# KiCad board Turbo_XT_Mainboard R3.kicad_pcb (continued)
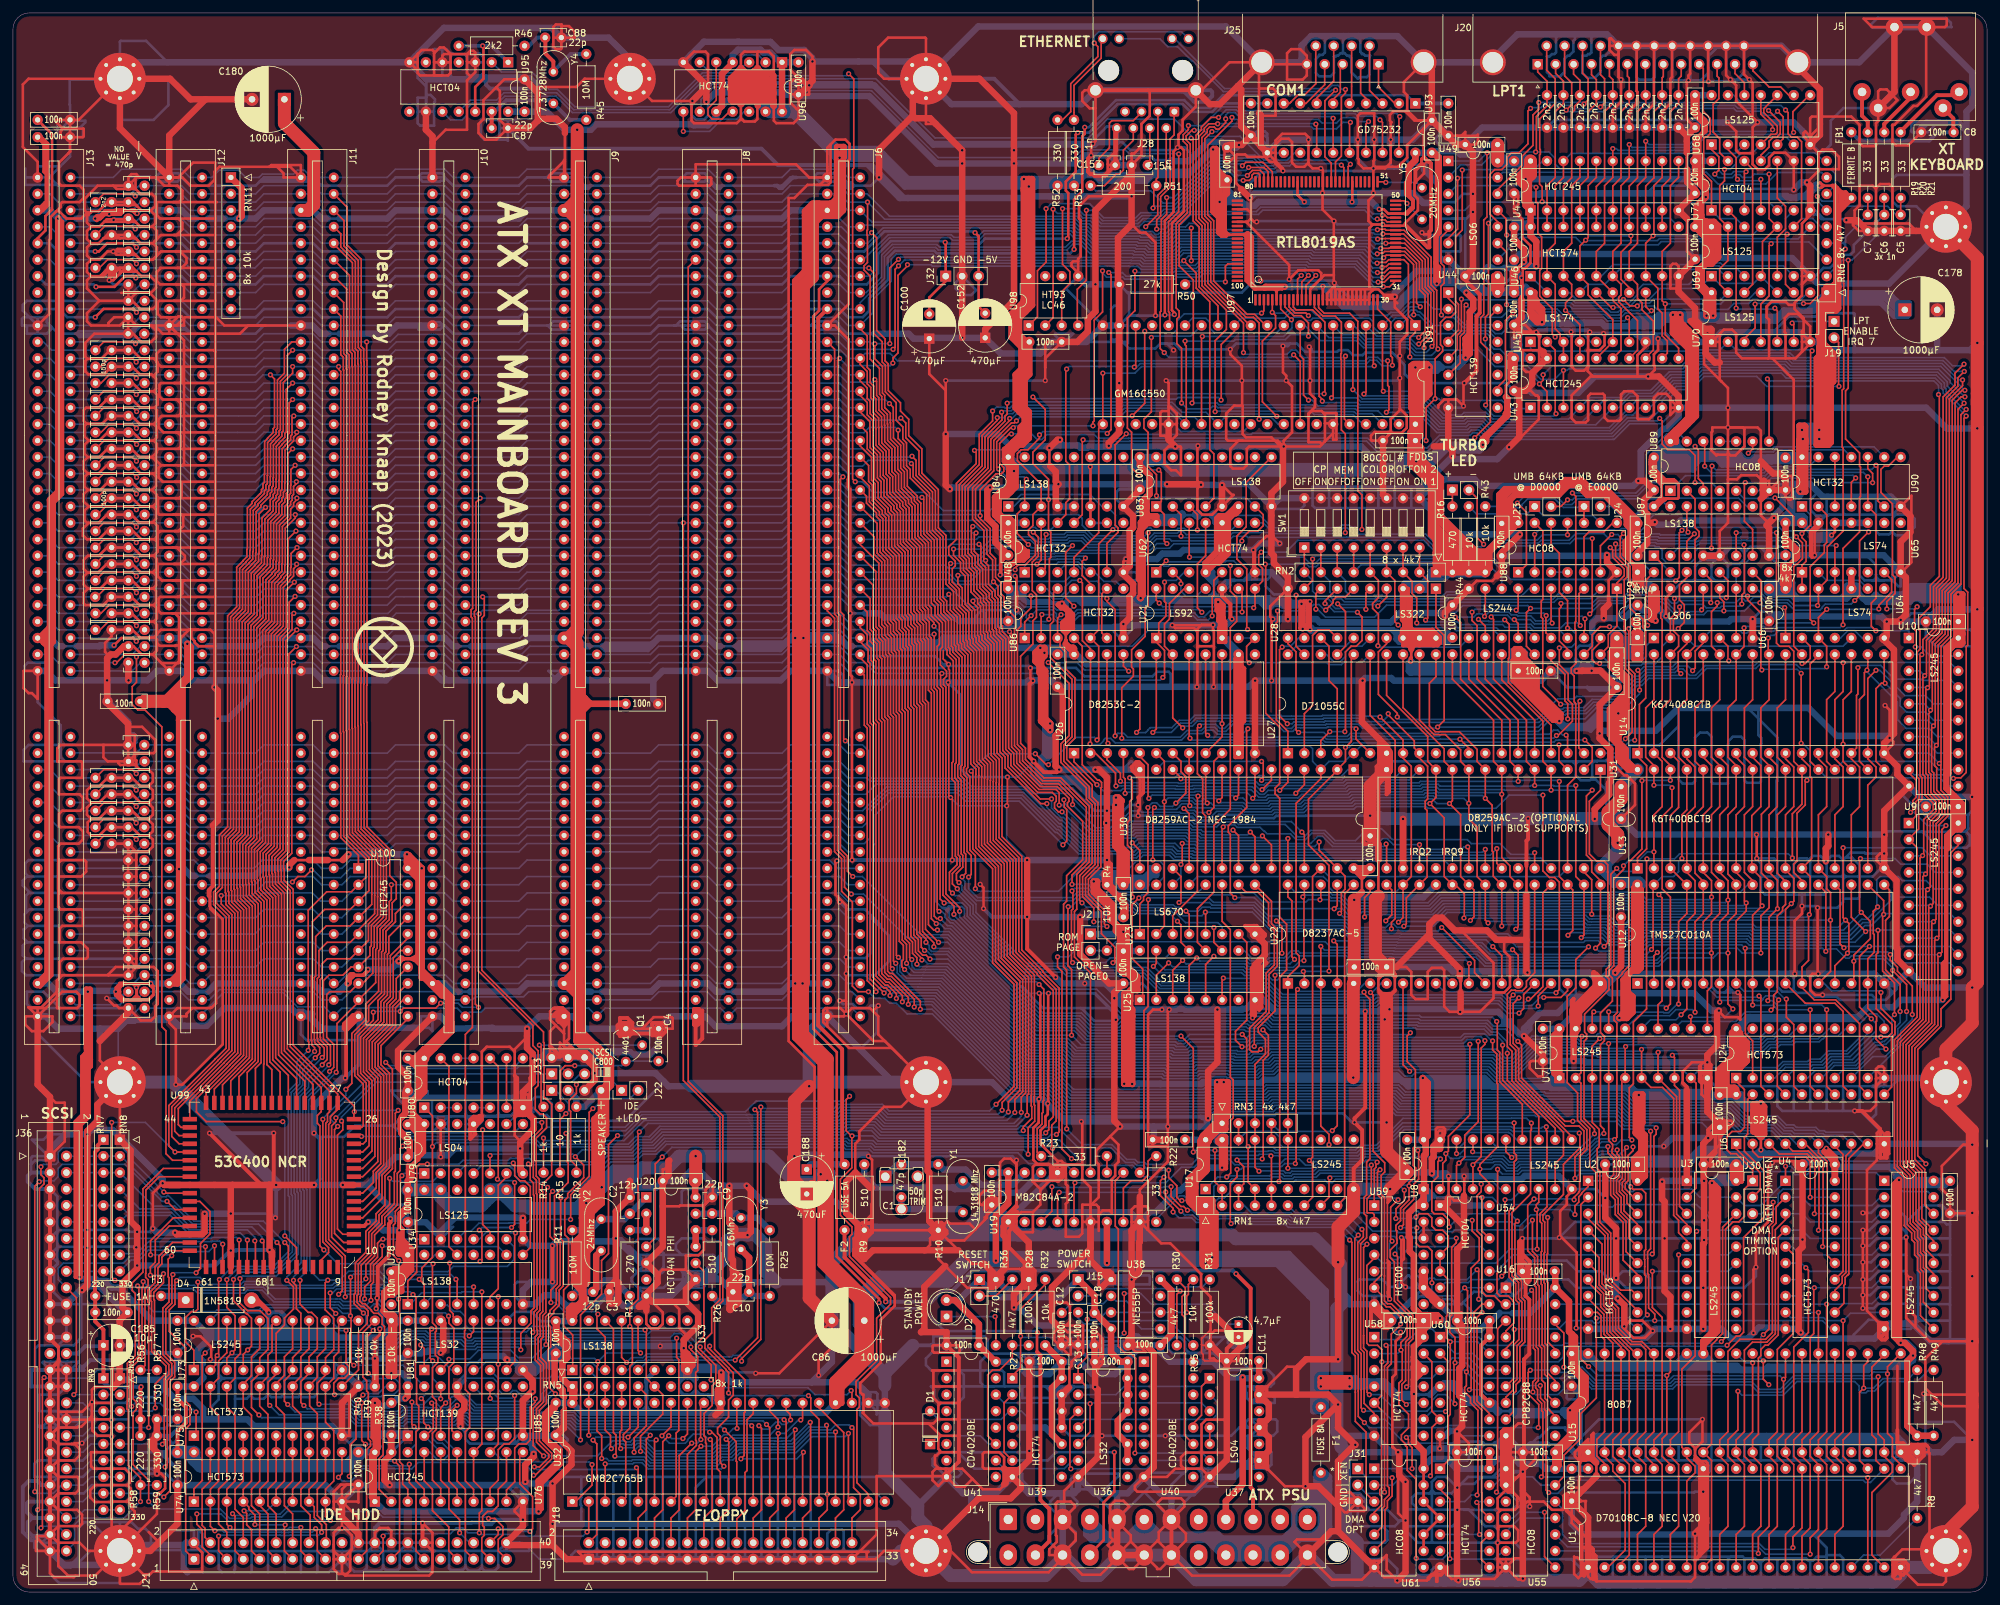
[diagram p0: board, top side]
## Routing (per net, layer and track width the routed paths; a pad name or vN(x,y) marks a point on that pad's centre or on a via; arc(x,y) is an arc through that point) (continued)
187.96,34.29 191.77,34.29 ; 184.98,36.9 184.73,36.9 ; 217.87,45.65 216.72,45.65 ; 223.96,12.77 224.72,12.77 227.33,10.16 228.73,10.16 229.3,9.58 ; 223.96,12.77 224.03,12.7 228.85,12.7 ; 223.96,12.77 222.95,12.77 ; 41.66,30.35 41.91,30.61 41.91,32.77 41.98,32.84 ; 41.66,30.35 41.4,30.1 39.88,30.1 39.5,30.48 39.37,30.48 ; 282.96,113.41 283.72,114.17 285.88,114.17 286,114.05 v1(288.93,114.05) ; 282.96,113.41 283.97,113.41 285.12,112.27 285.12,110.62 284.99,110.49 ; 282.96,113.41 282.57,113.03 282.57,112.78 ; 282.45,197.49 284.23,197.49 284.35,197.36 284.35,191.77 ; 74.8,224.28 72.77,224.28 72.26,224.79 72.26,227.33 75.14,227.33 75.29,227.18 ; 272.41,110.62 272.41,111.12 ; 272.41,110.62 272.29,110.49 269.88,110.49 ; 272.41,111.12 272.41,110.87 272.8,110.49 ; 272.41,111.12 272.41,112.78 271.91,113.28 v1(269.24,113.28) 269.24,113.16 269.88,112.52 269.88,110.49 ; 271.91,1.52 272.41,2.03 272.41,4.95 272.16,5.21 ; 185.67,19.18 186.18,19.18 ; 185.67,19.18 185.67,17.78 ; 285.24,74.3 286.7,72.83 ; 283.31,23.59 282.57,22.86 282.57,20.32 ; 282.57,78.1 280.03,78.1 ; 280.03,78.1 280.03,74.55 280.29,74.3 ; 280.03,78.1 277.5,78.1 ; 219.13,7.69 219.06,7.62 216.92,7.62 215.01,9.52 v1(215.01,11.05) ; U1.33 259.97,20.07 ; U1.33 260.73,19.3 259.97,19.3 ; 259.97,20.07 259.71,20.32 ; 259.97,20.07 259.97,19.3 ; 104.77,52.07 103.25,52.07 102.36,52.96 102.36,53.72 103.25,54.61 106.68,54.61 107.19,54.1 108.97,54.1 109.98,55.12 v1(113.41,55.12) ; 104.77,52.07 97.92,52.07 ; 104.77,52.07 108.08,52.07 108.33,51.82 108.33,50.04 ; U59.12 217.68,54.74 v1(214.38,54.74) ; v1(285.62,48.26) 286.77,48.26 288.08,49.57 292.31,49.57 ; 161.04,29.97 161.04,30.99 ; 102.87,31.37 102.87,32.26 ; 254.63,5.46 259.71,5.46 ; 254.63,5.46 254.63,2.03 254.13,1.52 ; 254.63,5.46 252.09,5.46 ; 259.71,5.46 262.25,5.46 ; 183.51,17.91 183.51,17.14 183.83,16.83 ; 183.51,17.91 183.51,18.29 ; C49.2 174.37,93.98 175.26,93.09 175.26,90.39 175.24,90.37 175.24,89.94 ; 287.65,166.37 287.65,168.78 288.01,169.14 ; 287.65,166.37 285.12,166.37 ; 287.65,166.37 290.19,166.37 ; 8.38,128.27 8,128.27 7.37,128.91 7.37,130.81 ; 8.38,128.27 C160.1 ; 66.04,72.26 66.8,72.26 67.24,72.7 ; 66.04,72.26 66.03,72.25 64.76,72.25 ; 66.04,72.26 66.04,72.64 65.22,73.46 ; 66.04,72.26 67.24,71.06 ; 66.04,72.26 64.76,70.98 ; 66.04,72.26 66.04,71.12 65.9,70.98 ; 6.22,27.94 8.25,27.94 ; 6.22,27.94 4.06,27.94 4.06,30.48 6.98,30.48 8.25,31.75 ; 44.45,35.69 46.99,35.69 ; 44.45,35.69 41.91,35.69 ; 290.19,166.37 290.7,166.37 ; 60.96,75.56 60.07,75.56 58.67,76.96 58.67,77.12 58.37,77.42 C30.2 ; 60.96,75.56 C30.2 ; 12.39,26.6 12.46,26.67 15.1,26.67 v1(15.17,26.6) 15.24,26.67 17.78,26.67 ; 46.99,35.69 49.4,35.69 49.78,35.31 ; 46.99,35.69 46.99,32.89 ; 107.31,195.71 107.31,195.58 ; 107.31,195.71 107.31,195.2 107.06,195.2 106.81,194.94 103.76,194.94 103.38,195.33 103.63,195.58 103.76,195.58 ; J13.1 1.9,218.44 ; J13.1 5.71,218.44 ; J13.1 3.81,220.34 4,220.15 7.3,220.15 ; 1.9,218.44 1.9,217.3 6.86,217.3 ; 1.9,218.44 1.9,219.84 ; 243.2,3.94 244.47,5.21 ; 244.47,5.21 244.47,3.68 ; 77.24,76.3 77.41,76.14 77.41,74.1 ; v1(210.06,219.84) 209.17,219.84 207.64,221.36 v1(207.64,224.28) ; v1(210.06,219.84) 209.66,219.44 202.33,219.44 v1(201.93,219.84) 201.55,219.46 v1(196.09,219.46) 195.2,219.46 194.99,219.25 192.71,219.25 191.01,217.55 v1(191.01,215.26) ; v1(210.06,219.84) 213.23,219.84 ; v1(114.68,33.78) 114.55,33.91 v1(109.35,33.91) ; 280.03,20.32 280.03,23.11 279.56,23.59 ; 280.03,20.32 277.5,20.32 ; 280.03,20.32 282.57,20.32 ; 285.46,23.59 285.12,23.24 285.12,20.32 ; 240.66,62.23 244.47,62.23 v1(245.86,60.84) ; 210.95,128.14 U31.14 212.09,128.14 ; 210.95,128.14 212.09,128.14 ; v1(247.52,48.51) 248.54,49.53 251.59,49.53 252.73,48.39 252.73,46.99 ; v1(247.52,48.51) 249.05,46.99 252.73,46.99 ; v1(247.52,48.51) 246.25,48.51 245.24,49.53 241.55,49.53 239.9,51.18 234.7,51.18 ; 168.27,48.89 166.37,48.89 166.37,48.26 168.27,48.26 ; 168.27,48.89 175.39,48.89 175.51,48.77 175.51,47.5 168.27,47.5 ; 161.96,31.72 161.96,31.59 162.18,31.37 ; 161.96,31.72 161.93,31.69 U39.13 160.65,31.75 160.27,31.75 ; 161.96,31.72 160.3,31.72 160.27,31.75 ; 161.96,31.72 163.16,31.72 163.16,31.34 162.69,30.86 162.18,31.37 ; 161.96,31.72 161.77,31.72 161.04,30.99 ; 81.17,47.89 77.87,47.89 77.47,47.5 77.47,45.72 U78.8 ; 112.9,17.78 113.03,17.65 113.03,5.46 112.65,5.08 ; C38.2 60.96,58.93 60.07,59.82 57.78,59.82 ; C38.2 59.61,57.1 59.05,57.66 ; C38.2 60.96,55.63 61.09,55.5 61.59,55.5 60.96,56.13 C38.2 ; v1(127.22,112.91) 129.44,112.91 v1(129.57,113.03) ; 78.68,22.93 79.94,22.93 80.19,22.68 ; 78.68,22.93 77.54,22.93 ; 67.63,71.06 67.62,71.06 67.24,71.44 ; 67.63,71.06 67.24,71.06 ; 67.63,71.06 69.92,71.06 ; 278.53,202.16 278.83,201.86 281.37,201.86 281.57,202.06 281.7,201.93 282.45,201.93 ; 284.99,110.49 285.12,110.36 285.12,107.31 284.86,107.06 282.57,107.06 ; J20.25 267.27,234.64 265.94,233.3 264.92,233.3 ; 168.27,48.26 167.51,47.5 168.27,47.5 ; C151.2 7.62,226.14 10.37,226.14 ; R31.1 184.66,38.23 184.66,39.37 ; R31.1 185.8,38.1 187.96,40.26 190.12,40.26 ; R31.1 184.78,36.96 184.73,36.9 ; 6.86,217.3 5.71,218.44 ; 52.07,8.89 51.05,9.91 v1(50.8,9.91) ; 52.07,8.89 52.22,8.74 52.22,7.47 ; 294.13,54.61 299.08,54.61 ; 279.97,110.29 279.97,108.01 279.65,107.7 277.5,107.7 ; 153.03,18.29 152.27,19.05 148.46,19.05 145.92,21.59 144.27,21.59 ; 153.03,18.29 155.83,18.29 155.83,17.27 157.86,15.24 ; 153.03,18.29 153.29,18.03 ; 282.6,169.14 282.57,169.12 282.57,166.62 282.83,166.37 ; v1(154.94,66.68) 154.31,67.31 v1(132.08,67.31) v1(120.65,67.31) ; U41.8 142.88,19.05 ; U41.8 144.14,19.05 ; U41.8 145.29,18.92 145.29,19.05 ; U41.8 145.92,17.78 146.43,18.29 146.43,18.54 145.92,19.05 145.29,19.05 ; 142.88,19.05 142.49,19.05 141.99,19.56 141.99,20.57 143,21.59 144.27,21.59 ; 142.88,19.05 144.14,19.05 ; 277.5,112.78 277.5,110.49 ; 72.64,236.35 72.64,234.57 72.26,234.19 70.23,234.19 70.1,234.31 70.1,236.35 ; 7.3,220.15 5.71,218.57 5.71,218.44 ; C10.2 107.99,49.53 105.41,49.53 ; 7.37,130.81 7.37,133.86 3.81,137.41 J13.31 1.78,142.24 1.78,143 2.29,143.51 5.46,143.51 5.46,142.62 5.08,142.24 ; 290.19,156.21 291.08,155.32 291.46,155.32 U65.7 ; 290.19,156.21 U65.7 ; 290.19,156.21 290.19,157.35 ; 64.76,72.25 64.76,73.4 64.7,73.46 ; 64.76,72.25 64.76,70.98 ; 282.57,107.06 282.57,110.11 ; 193.93,26.67 194.94,26.67 195.2,26.42 195.2,24.76 194.56,24.13 193.93,24.13 ; 193.93,26.67 192.4,26.67 ; 31.64,6.33 31.64,6.08 31.77,5.95 31.77,3.58 32.26,3.09 32.26,3.05 ; 31.64,6.33 34.4,6.33 ; 65.15,6.35 67.31,6.35 ; 65.02,238.25 66.93,238.25 67.56,237.62 ; 246.38,1.52 247.01,2.16 247.01,5.46 ; C149.2 C103.1 ; 69.92,72.21 69.92,71.06 ; 69.92,72.21 69.92,73.98 ; 69.92,71.06 69.84,70.98 ; 69.92,71.06 70.1,71.25 ; 69.92,71.06 71.06,71.06 71.12,71.12 ; v1(285.62,50.93) 286.89,50.93 288.04,52.07 292.23,52.07 292.31,51.99 ; 67.37,140.78 66.42,141.73 66.42,142.24 J10.31 ; U65.7 290.32,157.48 290.19,157.35 ; 170.56,193.04 165.74,193.04 ; 32.26,3.05 34.16,3.05 ; 34.16,3.05 36.7,3.05 ; 34.16,3.05 34.16,3.43 34.29,3.56 34.29,6.22 34.4,6.33 ; v1(215.01,11.05) 213.87,11.05 212.22,12.7 209.3,12.7 ; v1(215.01,11.05) 214.95,10.99 214.95,12.77 216.73,12.77 ; v1(215.01,11.05) 215.01,10.54 215.39,10.16 222.25,10.16 223.01,10.92 v1(223.01,12.7) ; 193.8,19.18 194.31,19.69 194.31,21.59 193.42,21.59 ; 85.72,83.82 J33.4 ; 85.72,83.82 88.14,83.82 ; 76.58,227.33 75.44,227.33 75.29,227.18 ; 172.59,39.12 172.72,39.12 173.35,39.75 ; 172.59,39.12 172.21,39.12 ; 236.92,22.79 239.08,22.79 239.14,22.73 ; 290.19,20.32 290.19,17.4 290.83,16.76 292.74,16.76 294,18.03 ; 290.19,20.32 291.59,20.32 ; 290.19,20.32 287.65,20.32 ; 134.62,25.78 132.33,25.78 130.81,27.31 130.81,28.96 ; 222.88,44.45 222.88,41.99 C76.2 225.17,41.91 225.3,42.04 225.3,43.31 223.9,44.7 ; 222.88,44.45 223.65,44.45 223.9,44.7 ; 133.48,29.21 133.48,29.59 ; 133.48,29.59 133.48,30.61 133.22,30.86 131.7,30.86 ; 133.48,29.59 133.48,27.56 133.35,27.43 133.35,27.94 U32.22 131.06,29.21 130.81,28.96 ; 191.13,39.12 191.13,39.88 190.75,40.26 190.12,40.26 ; C136.2 C117.1 ; 145.29,19.05 144.14,19.05 ; C161.1 17.78,132.59 18.67,132.59 19.05,132.21 19.05,131.19 18.67,130.81 C161.1 ; 88.14,83.82 88.14,82.68 J33.6 ; 84.58,22.35 85.6,23.37 85.6,23.62 85.01,24.21 C96.2 ; 84.58,22.35 83.95,22.35 83.82,22.48 C96.2 ; 84.58,22.35 84.58,23.45 C96.2 ; 297.05,149.61 296.93,149.61 ; 297.05,149.61 298.07,148.59 302.26,148.59 302.77,148.08 302.77,146.05 296.93,146.05 295.35,147.62 C56.2 ; 297.05,149.61 296.8,149.86 C56.2 ; 243.4,146.12 243.84,146.56 243.84,147.7 ; 69.85,6.35 69.87,6.33 69.87,3.79 ; 69.85,6.35 67.31,6.35 ; 299.08,49.53 299.08,52.07 ; 144.31,105.68 144.48,105.85 145.09,105.85 ; 183.51,18.29 183.51,19.05 ; 2.29,97.79 C173.2 ; 2.29,97.79 1.9,97.79 1.4,97.28 1.4,95.88 2.03,95.25 C174.2 ; U83.8 194.44,167.64 194.82,167.26 198.88,167.26 199.39,167.77 SW1.16 ; 229.24,45.72 230.63,45.72 ; 229.24,45.72 228.98,45.72 ; 229.24,45.72 U16.1 ; 230.63,45.72 230.5,45.85 U16.1 ; 230.63,45.72 231.77,45.72 ; 229.3,9.58 229.3,12.52 229.12,12.7 228.85,12.7 ; U25.8 191.77,90.17 191.88,90.06 ; 2.03,104.9 2.54,105.41 C170.2 ; 174.12,39.37 177.29,39.37 ; 174.12,39.37 173.74,39.75 173.35,39.75 ; 162.07,15.1 163.21,15.1 164.34,13.97 164.34,13.48 J14.3 ; 228.98,45.72 227.46,45.72 226.82,46.36 225.55,46.36 223.9,44.7 ; 228.98,45.72 228.98,45.97 230,46.99 U16.1 ; H1.1 16.51,239.39 16.64,239.52 20.57,239.52 23.88,236.22 ; 81.15,35.43 77.6,35.43 77.22,35.81 ; 274.95,5.21 274.95,1.91 275.34,1.52 ; 274.95,5.21 272.16,5.21 ; 257.18,133.73 257.18,125.48 257.81,124.84 259.33,124.84 259.71,125.22 259.71,131.95 260.48,132.72 261.62,132.72 262.25,132.08 262.25,125.09 262.51,124.84 264.79,124.84 264.79,130.94 264.86,131.01 264.86,131.39 265.56,132.08 266.83,132.08 267.33,131.57 267.33,125.35 267.72,124.97 269.75,124.97 269.88,125.09 269.88,130.94 269.94,131.01 269.94,131.88 269.49,132.33 269.49,136.53 ; 257.18,133.73 257.18,136.53 ; 162.94,31.5 162.81,31.37 162.18,31.37 ; 299.08,41.91 299.08,38.99 298.83,38.74 ; U44.8 223.71,182.88 v1(223.96,183.13) ; U75.10 51.94,22.99 53.3,24.34 53.64,24.34 ; 287.65,20.32 285.12,20.32 ; 287.65,20.32 287.65,22.86 288.39,23.59 ; 285.12,20.32 282.57,20.32 ; 70,76.3 69.92,76.22 69.92,73.98 ; 172.21,39.12 172.85,39.75 173.35,39.75 ; 267.08,5.46 267.33,5.21 ; 267.08,5.46 265.18,5.46 264.79,5.08 264.79,2.03 264.29,1.52 ; 267.08,5.46 262.25,5.46 ; 267.33,5.21 268.99,5.21 269.3,4.89 ; 267.33,5.21 267.33,2.03 268.1,1.27 ; 262.25,156.71 262.25,156.72 ; 262.25,156.71 262.82,156.14 263.21,156.14 ; 262.25,156.71 262.25,156.32 262.07,156.14 ; 79.69,75.5 80.64,76.45 81.66,76.45 81.91,76.2 82.42,76.2 83.18,75.44 83.18,72.9 ; 79.69,75.5 80.14,75.95 80.14,74.3 80.33,74.1 77.41,74.1 ; 159.07,149.03 155,149.03 154.94,149.1 151.89,149.1 151.89,149.73 152.1,149.94 ; 67.56,235.97 67.56,234.19 68.15,233.6 ; 67.56,235.97 67.56,237.36 67.69,237.49 67.56,237.62 ; 173.17,149.29 173.17,149.04 U86.7 170.94,147.32 169.99,148.27 169.99,149.03 ; 282.57,110.87 282.57,110.11 ; 282.57,110.87 282.57,112.78 ; v1(27.81,39.5) 27.81,39.32 C42.2 ; J21.28 J21.26 J21.24 ; 123.82,218.44 123.57,218.44 ; 19.81,195.58 19.56,195.58 ; 61.63,76.75 61.47,76.58 61.47,74.16 62.16,73.46 64.7,73.46 ; 263.21,156.14 262.07,156.14 ; 263.21,156.14 264.22,156.14 264.79,156.72 264.79,158.75 ; 262.07,156.14 257.87,156.14 ; 257.87,156.14 256.67,154.94 255.9,154.94 ; 153.29,18.03 153.29,16.76 ; 153.29,18.03 153.54,17.78 U39.7 ; 170.38,89.03 169.23,90.17 159.02,90.17 155.67,93.53 ; 170.38,89.03 166.95,92.46 v1(159.89,92.46) ; 170.38,89.03 170.29,88.94 v1(170.29,88.37) ; v1(285.62,45.85) 286.77,45.85 287.98,47.06 292.3,47.06 292.31,47.07 ; 245.94,128.34 244.66,128.34 ; 219.96,214.5 220.09,214.63 222.63,214.63 223.9,215.9 v1(225.43,215.9) ; 36.7,3.05 36.85,3.19 36.85,6.33 ; 192.53,21.59 193.42,21.59 ; 100.46,78.87 100.46,78.74 94.49,72.77 83.31,72.77 83.18,72.9 ; 205.59,20.86 205.59,21.06 v1(207.26,22.73) ; 207.64,15.24 206.47,15.24 205.59,14.37 ; 161.04,30.99 160.15,30.99 159.38,31.75 ; 90.17,17.78 87.63,17.78 ; 164.27,36.76 164.46,36.96 C13.2 ; U73.10 49.78,35.31 ; U73.10 49.72,33.21 ; U73.10 50.8,33.15 50.93,33.02 ; 49.78,35.31 49.72,35.24 49.72,33.21 ; 267.65,160.84 267.27,160.46 ; 297.89,59.69 C35.2 299.08,56.77 ; 69.92,73.73 69.92,73.98 ; 62.48,218.44 59.05,218.44 57.78,217.17 47.62,217.17 46.99,217.81 ; C184.2 57.29,44.4 56.31,45.38 v1(56.22,45.38) ; 46.99,217.81 46.61,218.19 ; 103.89,47.12 103.89,48.89 103.25,49.53 105.41,49.53 ; 254.16,23.59 254.63,23.11 254.63,20.32 ; 191.77,156.34 190.63,156.34 U62.7 191.77,156.34 ; 191.77,156.34 193.42,156.34 ; 200.53,191.52 199.52,191.52 198.25,192.79 197.23,192.79 ; 200.53,191.52 204.47,191.52 204.72,191.77 206.12,191.77 206.88,191.01 208.41,191.01 208.79,191.39 212.98,191.39 214.88,189.48 214.88,188.09 216.28,186.69 v1(224.09,186.69) 230.58,186.69 C70.2 ; 200.53,191.52 200.53,191.9 v1(200.15,192.28) ; v1(223.01,12.7) 216.73,12.77 ; v1(223.01,12.7) 222.95,12.77 ; v1(223.01,12.7) 222.95,12.76 222.95,12.77 ; 278.51,212.73 278.89,212.73 ; 278.51,212.73 278,212.73 277.5,213.23 U71.7 278.26,213.36 278.89,212.73 ; 278.51,212.73 278.51,212.72 279.22,212.02 279.6,212.02 ; 278.89,212.73 279.6,212.02 ; 69.84,70.98 70.1,71.25 ; 69.84,70.98 65.9,70.98 ; 77.54,22.93 77.16,22.93 ; 10.54,26.67 10.54,27.43 10.03,27.94 8.25,27.94 ; 194.18,29.21 192.4,29.21 ; v1(233.04,54.61) 238.25,54.61 ; 269.88,4.32 269.88,4.57 270.19,4.89 ; 269.88,4.32 269.3,4.89 ; 154.56,36.83 154.81,36.83 ; U76.10 76.83,15.88 76.83,16.51 ; 205.46,240.26 203.18,240.26 202.56,239.65 202.56,237.74 202.18,237.36 201.68,237.36 201.68,237.24 201.17,236.73 201.17,234.57 201.68,234.06 203.45,234.06 203.96,234.57 203.96,237.11 204.22,237.11 204.34,237.24 204.6,237.24 204.98,237.62 205.23,237.62 ; v1(184.53,73.15) 185.04,73.15 185.39,73.5 185.52,73.5 185.67,73.66 194.82,73.66 195.07,73.91 205.36,73.91 206.76,72.52 v1(207.14,72.52) v1(212.09,72.52) ; 87.63,17.78 84.33,17.78 v1(83.31,16.76) ; 87.63,17.78 87.76,17.65 87.76,14.6 87.63,14.48 87.63,13.46 87.76,13.34 87.76,10.54 ; C64.2 230.19,21.59 228.92,22.86 226.82,22.86 226.44,23.24 223.52,23.24 222.44,22.16 221.17,22.16 221.42,22.16 223.27,20.32 224.54,20.32 224.79,20.57 224.79,21.59 ; 170.17,171.06 170.18,171.07 v1(178.18,171.07) 176.78,171.07 176.4,171.45 172.74,171.45 172.35,171.06 ; 9.78,194.31 9.65,194.31 ; 67.24,72.7 67.24,71.44 ; 207.75,240.26 208.03,239.98 208.03,237.87 208.28,237.62 208.28,237.49 208.53,237.49 208.79,237.24 209.55,237.24 209.42,237.11 209.42,234.31 209.04,233.93 207.9,233.93 207.64,233.68 206.63,234.7 206.63,236.86 206.38,237.11 206.38,237.24 205.99,237.24 205.61,237.62 205.23,237.62 ; 192.4,29.21 191.52,29.21 ; 183.51,19.05 184.53,19.05 ; v1(271.65,66.29) 271.91,66.55 274.83,66.55 275.34,66.04 C72.2 ; 159.38,31.75 160.27,31.75 ; C69.2 246,121.67 246,122.68 ; 272.16,5.21 270.51,5.21 270.19,4.89 ; 205.23,237.62 205.36,237.74 205.36,239.65 205.97,240.26 206.27,240.26 ; v1(40.51,57.79) 39.85,58.45 v1(33.63,58.45) ; 243.84,125.73 243.84,125.48 244.35,125.48 246,123.82 246,122.68 ; 243.84,125.73 243.84,128.05 244.13,128.34 244.66,128.34 ; C62.2 220.22,223.52 219.71,224.03 219.71,224.54 220.04,224.87 C187.2 ; 270.19,4.89 269.3,4.89 ; 259.84,217.17 253.49,217.17 252.3,215.98 251.29,215.98 ; 277.5,110.49 277.5,107.7 ; 267.27,160.46 267.33,160.39 267.33,159.51 266.57,158.75 264.79,158.75 ; 77.41,74.1 76.9,73.6 ; 36.64,30.42 36.07,29.85 34.29,29.85 ; 36.64,30.42 37.21,29.85 38.73,29.85 39.37,30.48 ; 36.64,30.42 36.83,30.61 36.83,35.69 ; 67.56,237.62 67.82,237.62 67.94,237.49 69.72,237.49 70.1,237.11 70.1,236.35 ; 192.4,26.67 191.01,26.67 ; U40.8 174.62,18.29 174.88,18.29 175.01,18.42 180.72,18.42 180.59,18.29 ; 170.44,223.9 171.28,223.9 172.52,222.66 179.4,222.66 v1(179.8,223.06) 180.93,223.06 181.74,222.25 181.74,221.11 ; 188.55,156.23 190.1,156.23 ; 67.24,71.06 67.24,71.44 ; 168.4,34.93 168.99,34.93 169.84,35.77 ; v1(176.4,197.1) 177.74,197.1 v1(177.85,197.21) 179.27,197.21 v1(179.32,197.27) ; v1(176.4,197.1) 176.15,197.1 ; U16.1 231.77,45.72 ; 178.74,139.78 178.74,141.81 178.44,142.11 176.66,142.11 175.93,141.39 165.44,141.39 164.13,142.7 v1(157.1,142.7) 156.8,143 143.89,143 143.59,142.7 133.15,142.7 132.08,143.76 132.08,144.15 132.21,144.27 132.21,144.53 142.37,144.53 143.64,143.26 v1(144.46,143.26) ; 5.71,7.62 4.44,7.62 J36.47 ; 5.71,7.62 J36.47 ; 5.71,7.62 6.73,7.62 7,7.35 ; 144.14,105.54 144.43,105.25 144.55,105.25 ; 130.81,28.96 130.81,30.73 131.32,31.24 ; C7.2 284.23,208.03 284.23,207.01 283.72,206.5 282.32,206.5 282.32,206.25 280.54,204.47 279.53,204.47 278.26,203.2 U69.7 ; 31.75,33.15 31.75,32.25 ; 31.75,32.25 31.75,29.72 30.73,28.7 30.73,26.67 ; 44.47,6.33 44.47,3.07 44.45,3.05 ; 103.12,34.29 102.87,34.04 ; J14.3 162.07,10.81 159.89,8.64 159.89,7.89 J14.15 162.07,5.86 164.08,7.87 164.08,9.27 164.01,9.27 J14.3 ; J14.3 162.01,11.21 160.15,13.08 160.15,13.97 161.42,15.24 ; C137.2 C116.1 ; v1(292.99,48.39) v1(292.99,43.31) ; 10.03,194.31 9.65,194.31 ; 290.19,157.35 290.19,158.75 290,158.94 ; 36.85,6.33 34.4,6.33 ; C163.1 C158.1 ; 295.27,25.91 295.27,29.34 295.02,29.59 v1(295.02,30.61) ; 295.27,25.91 295.27,26.29 299.72,26.29 v1(302.51,23.5) ; 264.79,20.32 262.38,20.32 ; 264.79,20.32 264.79,22.61 265.78,23.59 ; 262.38,20.32 262.25,20.32 ; C30.2 63.93,77.42 64.03,77.32 64.03,76.3 ; v1(56.08,43.76) 57.15,42.69 57.15,41.15 v1(56.64,40.64) ; 169.29,127 171.32,127 172.59,128.27 172.72,128.27 U30.14 ; v1(166.75,223.65) 166.75,224.16 168.91,226.31 170.19,226.31 J28.8 ; 6.86,20.32 6.88,20.3 10.78,20.3 12.06,21.59 22.22,21.59 ; 294.89,151.13 294.89,151 295.35,150.54 C56.2 ; 172.02,200.73 170.81,201.93 ; 172.02,200.73 172.08,200.66 189.74,200.66 191.52,202.44 v1(192.66,202.44) 196.78,202.44 v1(197.05,202.7) 197.24,202.51 203.67,202.51 v1(204.02,202.16) 206.15,200.03 v1(213.36,200.03) ; 256.83,23.59 257.18,23.24 257.18,20.32 ; 144.14,39.5 142.11,39.5 142.11,38.48 141.73,38.1 ; 144.14,39.5 144.14,37.21 143.89,36.96 ; 7,7.35 7,7.6 J36.47 ; 293.82,117.41 293.75,117.47 289.43,117.47 v1(288.93,116.97) ; U76.19 U85.1 60.96,24.76 55.97,24.76 55.54,24.34 ; U76.19 58.42,22.39 56.47,24.34 ; U76.19 C89.2 ; 103.63,33.02 102.87,32.26 ; 103.63,33.02 103,33.02 102.87,33.15 ; 102.87,32.26 102.87,33.15 ; 244.22,93.09 244.22,94.87 243.78,95.31 ; 254.36,92.48 254.63,92.76 254.63,95.38 254.53,95.48 ; J5.4 282.63,229.16 280.67,227.2 280.67,223.52 279.53,222.38 278.89,222.38 277.75,223.52 U68.7 276.48,224.54 276.48,225.4 276.28,225.6 ; 102.87,33.15 102.87,34.04 ; 247.01,5.46 249.56,5.46 ; v1(168.8,118.75) 169.25,119.2 171.9,119.2 172.59,119.89 v1(173.74,119.89) 179.96,119.89 180.15,119.7 182.05,119.7 182.63,119.13 185.29,119.13 186.18,120.02 189.23,120.02 189.74,119.51 194.69,119.51 195.03,119.85 199.58,119.85 199.61,119.89 v1(209.55,119.89) ; 238.38,240.54 238.25,240.41 238.25,237.74 238,237.49 237.62,237.49 237.24,237.11 236.85,237.11 236.85,234.7 237.24,234.31 237.24,234.06 238.89,234.06 239.39,234.57 239.52,234.57 239.52,236.73 240.03,237.24 240.28,237.24 240.92,237.87 240.92,239.52 241.17,239.78 241.17,240.54 ; 294.51,120.65 293.62,121.54 ; 191.88,90.06 190.39,90.06 ; 191.88,90.06 194.2,90.06 194.37,90.23 ; 51.94,5.46 51.94,6.22 ; 8.25,34.29 8.89,34.29 10.16,35.56 8.38,35.56 ; 8.25,34.29 8.25,35.43 8.38,35.56 ; v1(144.4,140.46) 146.3,138.56 146.3,127.13 147.58,125.85 v1(153.55,125.85) ; 292.31,44.53 292.3,44.52 287.98,44.52 287.27,43.81 v1(285.62,43.81) ; 292.31,44.53 292.31,41.99 291.76,41.44 ; 292.31,44.53 292.31,47.07 ; 280.42,166.37 282.83,166.37 ; 103.38,218.44 99.69,218.44 98.42,217.17 88.26,217.17 86.99,218.44 ; 216.13,224.31 213.64,224.31 212.72,223.39 ; 216.13,224.31 C79.2 ; C145.2 C108.1 ; 290.96,94.11 290.83,94.11 290.07,94.87 ; 262.25,5.46 262.25,2.16 261.62,1.52 ; C164.1 C157.1 ; 41.91,35.69 41.91,32.91 41.98,32.84 ; 41.91,35.69 39.37,35.69 ; 272.41,161.42 272.41,160.15 272.29,160.02 ; v1(161.8,41.15) 162.56,40.39 v1(167,40.39) ; J36.27 3.94,34.29 3.43,34.8 3.43,37.59 3.92,38.08 9.38,38.08 10.54,39.24 10.54,46.48 v1(10.67,46.61) ; v1(173.74,121.54) 172.34,121.54 171.44,120.64 169.93,120.64 169.92,120.65 v1(168.91,120.65) 167,120.65 163.58,124.08 159.26,124.08 157.21,126.13 157.21,127.9 v1(157.61,128.3) ; v1(178.05,187.07) v1(189.74,187.07) v1(196.6,187.07) v1(200.28,187.07) 213.74,187.07 v1(214.12,187.45) ; 168.66,38.74 161.42,38.74 160.97,38.29 160.97,37.15 ; 299.08,54.61 299.08,52.07 ; 299.08,54.61 299.08,56.77 ; C125.2 v1(15.49,207.01) ; C135.2 C118.1 ; C148.2 C104.1 ; 103.76,195.58 J8.10 107.31,195.58 ; 72.41,3.66 72.24,3.66 71.88,3.3 70.36,3.3 69.87,3.79 ; 259.71,20.32 259.71,23.24 260.06,23.59 ; 7.24,90.17 C176.2 ; 39.37,30.48 39.37,35.69 ; 292.31,49.57 292.31,51.99 ; 292.31,49.57 292.31,47.07 ; 64.7,73.46 65.22,73.46 ; 52.26,32.83 52.07,33.02 50.93,33.02 ; J21.40 78.23,7.62 78.74,7.11 79.25,7.11 ; 271.27,151.26 272.8,151.26 273.41,150.64 ; 271.27,151.26 271.14,151.13 C47.2 ; 271.27,151.26 270.89,151.26 270.76,151.38 269.75,151.38 v1(268.6,150.24) ; 277.5,20.32 277.5,22.86 278.23,23.59 ; 42.16,33.02 41.98,32.84 ; 257.18,20.32 254.63,20.32 ; 39.37,35.69 36.83,35.69 ; 36.83,35.69 34.29,35.69 ; C139.2 C114.1 ; 241.3,128.27 241.68,128.27 ; C140.2 C113.1 ; 285.12,166.37 285.12,168.99 285.27,169.14 ; 285.12,166.37 282.83,166.37 ; 131.57,151.13 v1(129.29,151.13) ; 244.86,1.52 244.47,1.91 244.47,3.68 ; U10.10 291.34,123.06 291.72,123.06 292.99,121.79 293.37,121.79 293.62,121.54 ; C98.1 C128.2 ; 243.84,147.7 243.84,148.21 ; 53.34,85.22 45.34,85.22 44.45,86.11 J11.80 ; 34.42,26.67 34.29,26.8 34.29,29.85 ; 241.68,128.27 244.59,128.27 244.66,128.34 ; 67.31,6.35 67.33,6.33 67.33,3.66 67.56,3.43 69.47,3.43 69.83,3.79 69.87,3.79 ; v1(302.49,122.79) 302.49,120.63 301.88,120.02 ; C133.2 C120.1 ; 213.23,219.84 212.72,220.34 212.72,223.39 ; 178.87,13.41 178.87,16.56 180.59,18.29 ; 262.25,20.32 262.25,23.37 262.48,23.59 ; U6.10 288.93,70.61 286.7,72.83 ; C138.2 C115.1 ; 249.56,5.46 252.09,5.46 ; 34.29,35.69 34.29,29.85 ; 62.23,235.2 62.17,235.27 62.17,237.17 ; 251.46,1.52 252.09,2.16 252.09,5.46 ; 65.9,70.98 64.76,70.98 ; J6.80 128.27,88.9 v1(128.65,89.28) ; 213.23,167.39 213.36,167.51 213.36,170.69 ; 299.85,120.02 301.88,120.02 ; 62.99,87.12 62.99,88.9 J10.80 64.77,86.61 64.26,87.12 61.85,87.12 ; v1(154.74,156.87) 154.54,157.07 v1(152.43,157.07) ; 167.64,223.9 141.73,223.9 141.48,224.16 ; 48.77,194.31 50.42,194.31 ; C162.1 C159.1 ; C146.2 C107.1 ; v1(159.38,187.07) v1(144.02,187.07) ; 252.73,46.99 v1(260.99,46.99) 267.33,46.99 269.11,48.77 v1(269.11,50.16) 269.11,54.1 ; C132.2 C121.1 ; 212.72,223.39 211.84,224.28 ; v1(302.51,38.74) v1(302.51,48.77) ; C34.2 249.17,66.04 249.17,66.17 250.44,67.44 250.57,67.44 251.97,68.83 v1(254.89,68.83) ; 25.91,195.96 27.3,194.56 ; C144.2 C109.1 ; 195.45,162.05 v1(195.58,161.93) ; 84.01,141.16 83.76,141.16 82.68,142.24 J9.31 ; C141.2 C112.1 ; U91.20 162.69,201.17 162.43,201.17 U98.5 ; C143.2 C110.1 ; C165.1 C155.1 ; C102.1 C124.2 ; J5.SH 290.4,241.55 287.15,241.55 286.77,241.94 287.91,243.08 298.45,243.08 299.21,242.32 299.21,241.76 299.31,241.66 J5.SH ; C29.2 238.04,227.33 260.6,227.33 261.01,226.92 264.13,226.92 ; v1(107.06,230.12) 107.31,229.87 107.31,227.97 106.75,227.4 105.47,227.4 104.77,228.09 104.77,230.12 v1(104.9,230.25) ; C101.1 C126.2 ; C142.2 C111.1 ; 243.2,22.1 244.7,23.59 ; 240.11,29.76 239.9,29.97 239.9,31.07 C31.2 241.85,31.83 242.95,30.73 242.86,30.73 241.89,29.76 240.11,29.76 ; 106.5,59.76 106.43,59.69 103.25,59.69 103.25,61.85 103.63,62.23 106.68,62.23 C9.1 106.75,59.76 106.5,59.76 ; 297.16,226.93 295.66,225.43 C8.2 293.24,225.43 293.12,225.55 293.12,226.69 293.35,226.93 297.33,226.93 297.16,226.93 ; 146.56,200.28 145.54,201.3 145.54,202.18 J32.2 148.72,201.04 147.95,200.28 146.56,200.28 ; 173.99,156.84 173.35,157.48 U48.7 172.72,156.21 173.74,156.21 173.99,156.46 173.99,156.84 ; 187.45,154.94 U21.10 186.69,155.7 187.22,156.23 187.98,156.23 187.98,155.47 187.45,154.94